# KiCad board 75he.kicad_pcb (continued)
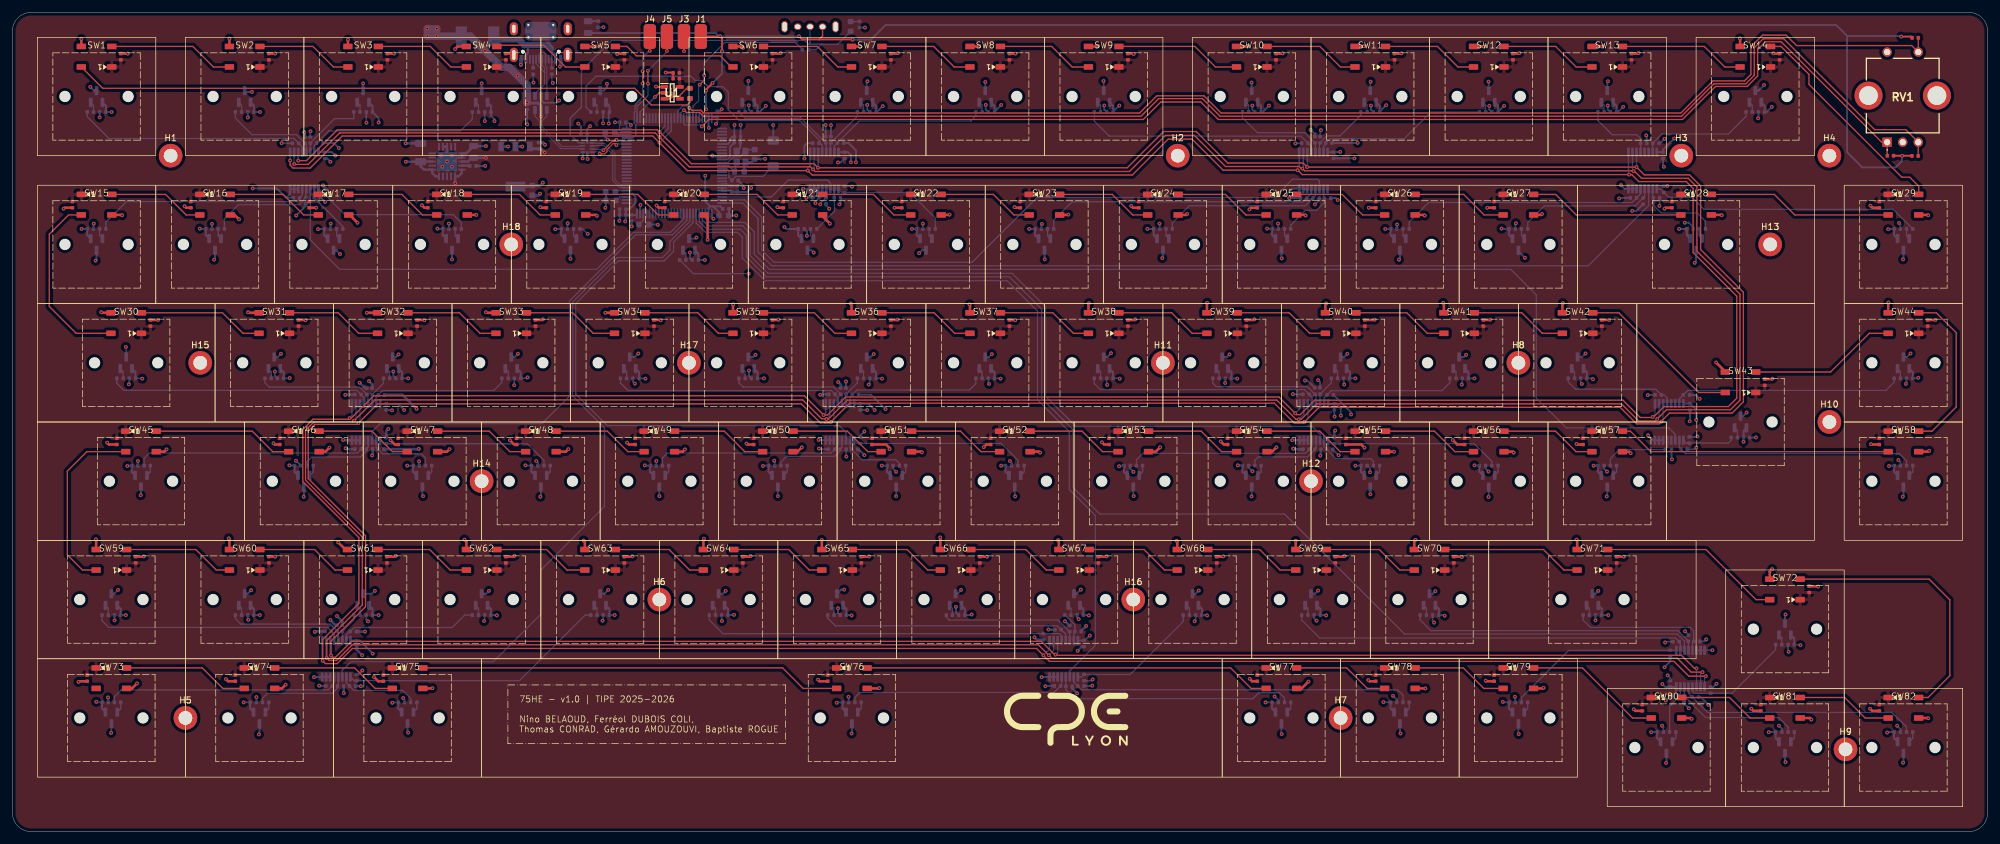
[diagram p0: board, top side]
## Footprints (pads in the part's own frame, mm; a bottom-side part is the same pattern mirrored in y, then rotated) (continued)
D_0805
  rrect 0.97x1.4 smd: 1(-0.94,0) 2(0.94,0)
EC11E15244B2
  round 4.5 hole 3: 1(-3,7.5) 2(8,7.5)
  rect 1.5x1.5 hole 1: A1(0,0)
  round 1.5 hole 1: B1(5,0) C1(2.5,0) D1(0,14.5) E1(5,14.5)
LED_WS2812B_PLCC4_5.0x5.0mm_P3.2mm
  rrect 1.5x0.9 smd: 1(-2.45,1.65) 2(-2.45,-1.65) 3(2.45,-1.65) 4(2.45,1.65)
LQFP-100_14x14mm_P0.5mm
  rrect 1.6x0.3 smd: 1(-7.675,6) 2(-7.675,5.5) 3(-7.675,5) 4(-7.675,4.5) 5(-7.675,4) 6(-7.675,3.5) 7(-7.675,3) 8(-7.675,2.5) 9(-7.675,2) 10(-7.675,1.5) 11(-7.675,1) 12(-7.675,0.5) 13(-7.675,0) 14(-7.675,-0.5) 15(-7.675,-1) 16(-7.675,-1.5) 17(-7.675,-2) 18(-7.675,-2.5) 19(-7.675,-3) 20(-7.675,-3.5) 21(-7.675,-4) 22(-7.675,-4.5) 23(-7.675,-5) 24(-7.675,-5.5) 25(-7.675,-6) 51(7.675,-6) 52(7.675,-5.5) 53(7.675,-5) 54(7.675,-4.5) 55(7.675,-4) 56(7.675,-3.5) 57(7.675,-3) 58(7.675,-2.5) 59(7.675,-2) 60(7.675,-1.5) 61(7.675,-1) 62(7.675,-0.5) 63(7.675,0) 64(7.675,0.5) 65(7.675,1) 66(7.675,1.5) 67(7.675,2) 68(7.675,2.5) 69(7.675,3) 70(7.675,3.5) 71(7.675,4) 72(7.675,4.5) 73(7.675,5) 74(7.675,5.5) 75(7.675,6)
  rrect 0.3x1.6 smd: 26(-6,-7.675) 27(-5.5,-7.675) 28(-5,-7.675) 29(-4.5,-7.675) 30(-4,-7.675) 31(-3.5,-7.675) 32(-3,-7.675) 33(-2.5,-7.675) 34(-2,-7.675) 35(-1.5,-7.675) 36(-1,-7.675) 37(-0.5,-7.675) 38(0,-7.675) 39(0.5,-7.675) 40(1,-7.675) 41(1.5,-7.675) 42(2,-7.675) 43(2.5,-7.675) 44(3,-7.675) 45(3.5,-7.675) 46(4,-7.675) 47(4.5,-7.675) 48(5,-7.675) 49(5.5,-7.675) 50(6,-7.675) 76(6,7.675) 77(5.5,7.675) 78(5,7.675) 79(4.5,7.675) 80(4,7.675) 81(3.5,7.675) 82(3,7.675) 83(2.5,7.675) 84(2,7.675) 85(1.5,7.675) 86(1,7.675) 87(0.5,7.675) 88(0,7.675) 89(-0.5,7.675) 90(-1,7.675) 91(-1.5,7.675) 92(-2,7.675) 93(-2.5,7.675) 94(-3,7.675) 95(-3.5,7.675) 96(-4,7.675) 97(-4.5,7.675) 98(-5,7.675) 99(-5.5,7.675) 100(-6,7.675)
MountingHole_2.2mm_M2_ISO14580_Pad
  round 3.8 hole 2.2: 1(0,0)
R_0402
  rrect 0.56x0.62 smd: 1(-0.5,0) 2(0.5,0)
R_0603
  rrect 0.8x0.95 smd: 1(-0.82,0) 2(0.82,0)
RGW0020A-IPC_A
  rect 1.207x0.316 smd: 1(-2.376,1.3) 2(-2.376,0.65) 3(-2.376,0) 4(-2.376,-0.65) 5(-2.376,-1.3) 11(2.376,-1.3) 12(2.376,-0.65) 13(2.376,0) 14(2.376,0.65) 15(2.376,1.3)
  rect 0.316x1.207 smd: 6(-1.3,-2.376) 7(-0.65,-2.376) 8(0,-2.376) 9(0.65,-2.376) 10(1.3,-2.376) 16(1.3,2.376) 17(0.65,2.376) 18(0,2.376) 19(-0.65,2.376) 20(-1.3,2.376)
  rect 3.15x3.15 smd: 21(0,0)
RSE10
  rect 0.705x0.3 smd: 1(-0.727,0.75) 4(-0.727,-0.75) 6(0.727,-0.75) 9(0.727,0.75)
  rect 0.705x0.25 smd: 2(-0.727,0.25) 3(-0.727,-0.25) 7(0.727,-0.25) 8(0.727,0.25)
  rect 0.35x0.755 smd: 5(0,-0.952) 10(0,0.952)
SolderWirePad_1x01_SMD_2x4mm
  rrect 2x4 smd: 1(0,0)
SOP65P640X120-16N
  rect 1.475x0.45 smd: 1(-2.938,2.275) 2(-2.938,1.625) 3(-2.938,0.975) 4(-2.938,0.325) 5(-2.938,-0.325) 6(-2.938,-0.975) 7(-2.938,-1.625) 8(-2.938,-2.275) 9(2.938,-2.275) 10(2.938,-1.625) 11(2.938,-0.975) 12(2.938,-0.325) 13(2.938,0.325) 14(2.938,0.975) 15(2.938,1.625) 16(2.938,2.275)
SOT95P280X145-5N
  rect 1.2x0.6 smd: 1(-1.25,0.95) 2(-1.25,0) 3(-1.25,-0.95) 4(1.25,-0.95) 5(1.25,0.95)
SOT223_STM
  rect 0.901x1.549 smd: 1(-2.3,-3.226) 2(0,-3.226) 3(2.3,-3.226)
  rect 3.2x1.549 smd: 4(0,3.226)
SOT-23
  rrect 1.475x0.6 smd: 1(-0.938,0.95) 2(-0.938,-0.95) 3(0.938,0)
SOT-23-6
  rrect 1.325x0.6 smd: 1(-1.137,0.95) 2(-1.137,0) 3(-1.137,-0.95) 4(1.137,-0.95) 5(1.137,0) 6(1.137,0.95)
SW-TH_SK-12D02VG3
  oval 1.2x1 hole 0.9x0.7: 1(-2,0) 2(0,0) 3(2,0)
  oval 1x1.8 hole 0.7x1.5: 4(4.1,0) 5(-4.1,0)
SW_TS-1088-AR02016
  rrect 1.35x1.8 smd: 1(-2.075,0) 2(2.075,0)
TYPE-C-SMD_HX-TYPE-C-16PIN
  round 0.6 hole 0.6 unplated: (-2.89,1.3) (2.89,1.3)
  rect 0.3x1.4 smd: A5(-1.25,2.5) A6(-0.25,2.5) A7(0.25,2.5) A8(1.25,2.5) B5(1.75,2.5) B6(0.75,2.5) B7(-0.75,2.5) B8(-1.75,2.5)
  rect 0.5x1.4 smd: A9B4(2.4,2.5) A12B1(3.2,2.5) B9A4(-2.4,2.5) B12A1(-3.2,2.5)
  oval 1.3x2.1 hole 0.5x1.3: S1(-4.33,-2.38) S1(4.33,-2.38)
  oval 1.3x2.3 hole 0.5x1.6: S1(-4.33,1.82) S1(4.33,1.82)
  round 0.5 hole 0.3: S1(-2,-3) S1(-2,-1) S1(2,-3) S1(2,-1)
  rrect 5x3 smd: S1(0,-2)

## Nets
+3.3V: C3.1 C4.1 C5.1 C6.1 C7.1 C8.1 C9.1 C12.1 C13.1 C18.2 C199.1 J1.1 LED2.2 R3.1 R5.1 R6.1 SW_BOOT1.3 U2.6 U2.11 U2.27 U2.50 U2.54 U2.75 U2.100 U3.10 U6.2 U6.4
+3.3VA: C1.1 C2.1 C22.2 C23.2 C24.2 C25.2 C26.2 C27.2 C28.2 C29.2 C38.2 C39.2 C40.2 C41.2 C42.2 C43.2 C44.2 C45.2 C54.2 C55.2 C56.2 C57.2 C58.2 C59.2 C60.2 C61.2 C70.2 C71.2 C72.2 C73.2 C74.2 C75.2 C76.2 C77.2 C86.2 C87.2 C88.2 C89.2 C90.2 C91.2 C92.2 C93.2 C102.2 C103.2 C104.2 C105.2 C106.2 C107.2 C108.2 C109.2 C118.2 C119.2 C120.2 C121.2 C122.2 C123.2 C124.2 C125.2 C134.2 C135.2 C136.2 C137.2 C138.2 C139.2 C140.2 C141.2 C150.2 C151.2 C152.2 C153.2 C154.2 C155.2 C156.2 C157.2 C166.2 C167.2 C170.2 C171.2 C172.2 C173.2 C174.2 C175.2 C176.2 C177.2 C197.1 C284.1 C285.1 C286.1 C287.1 C288.1 C289.1 C290.1 C291.1 C292.1 C293.1 C295.1 K1.1 K2.1 K3.1 K4.1 K5.1 K6.1 K7.1 K8.1 K9.1 K10.1 K11.1 K12.1 K13.1 K14.1 K15.1 K16.1 K17.1 K18.1 K19.1 K20.1 K21.1 K22.1 K23.1 K24.1 K25.1 K26.1 K27.1 K28.1 K29.1 K30.1 K31.1 K32.1 K33.1 K34.1 K35.1 K36.1 K37.1 K38.1 K39.1 K40.1 K41.1 K42.1 K43.1 K44.1 K45.1 K46.1 K47.1 K48.1 K49.1 K50.1 K51.1 K52.1 K53.1 K54.1 K55.1 K56.1 K57.1 K58.1 K59.1 K60.1 K61.1 K62.1 K63.1 K64.1 K65.1 K66.1 K67.1 K68.1 K69.1 K70.1 K71.1 K72.1 K73.1 K74.1 K75.1 K76.1 K77.1 K78.1 K79.1 K80.1 K81.1 K82.1 M1.16 M2.16 M3.16 M4.16 M5.16 M6.16 M7.16 M8.16 M9.16 M10.16 M11.16 U2.20 U2.21 U5.1 U5.3 U5.20
+5V: C10.1 C11.1 C21.1 C198.1 C200.1 C202.1 C203.1 C204.1 C205.1 C206.1 C207.1 C208.1 C209.1 C210.1 C211.1 C212.1 C213.1 C214.1 C215.1 C216.1 C217.1 C218.1 C219.1 C220.1 C221.1 C222.1 C223.1 C224.1 C225.1 C226.1 C227.1 C228.1 C229.1 C230.1 C231.1 C232.1 C233.1 C234.1 C235.1 C236.1 C237.1 C238.1 C239.1 C240.1 C241.1 C242.1 C243.1 C244.1 C245.1 C246.1 C247.1 C248.1 C249.1 C250.1 C251.1 C252.1 C253.1 C254.1 C255.1 C256.1 C257.1 C258.1 C259.1 C260.1 C261.1 C262.1 C263.1 C264.1 C265.1 C266.1 C267.1 C268.1 C269.1 C270.1 C271.1 C272.1 C273.1 C274.1 C275.1 C276.1 C277.1 C278.1 C279.1 C280.1 C281.1 C282.1 C283.1 D1.1 D2.1 D3.1 D4.1 D5.1 D6.1 D7.1 D8.1 D9.1 D10.1 D11.1 D12.1 D13.1 D14.1 D15.1 D16.1 D17.1 D18.1 D19.1 D20.1 D21.1 D22.1 D23.1 D24.1 D25.1 D26.1 D27.1 D28.1 D29.1 D30.1 D31.1 D32.1 D33.1 D34.1 D35.1 D36.1 D37.1 D38.1 D39.1 D40.1 D41.1 D42.1 D43.1 D44.1 D45.1 D46.1 D47.1 D48.1 D49.1 D50.1 D51.1 D52.1 D53.1 D54.1 D55.1 D56.1 D57.1 D58.1 D59.1 D60.1 D61.1 D62.1 D63.1 D64.1 D65.1 D66.1 D67.1 D68.1 D69.1 D70.1 D71.1 D72.1 D73.1 D74.1 D75.1 D76.1 D77.1 D78.1 D79.1 D80.1 D81.1 D82.1 F1.1 U1.5 U4.5 U5.13 U5.15 U5.16 U6.3
/MCU/V12PHYHS: C15.1 U2.55
GND: C1.2 C2.2 C3.2 C4.2 C5.2 C6.2 C7.2 C8.2 C9.2 C10.2 C11.2 C12.2 C13.2 C14.2 C15.2 C16.2 C17.2 C18.1 C19.2 C20.2 C21.2 C22.1 C23.1 C24.1 C25.1 C26.1 C27.1 C28.1 C29.1 C30.1 C31.1 C32.1 C33.1 C34.1 C35.1 C36.1 C37.1 C38.1 C39.1 C40.1 C41.1 C42.1 C43.1 C44.1 C45.1 C46.1 C47.1 C48.1 C49.1 C50.1 C51.1 C52.1 C53.1 C54.1 C55.1 C56.1 C57.1 C58.1 C59.1 C60.1 C61.1 C62.1 C63.1 C64.1 C65.1 C66.1 C67.1 C68.1 C69.1 C70.1 C71.1 C72.1 C73.1 C74.1 C75.1 C76.1 C77.1 C78.1 C79.1 C80.1 C81.1 C82.1 C83.1 C84.1 C85.1 C86.1 C87.1 C88.1 C89.1 C90.1 C91.1 C92.1 C93.1 C94.1 C95.1 C96.1 C97.1 C98.1 C99.1 C100.1 C101.1 C102.1 C103.1 C104.1 C105.1 C106.1 C107.1 C108.1 C109.1 C110.1 C111.1 C112.1 C113.1 C114.1 C115.1 C116.1 C117.1 C118.1 C119.1 C120.1 C121.1 C122.1 C123.1 C124.1 C125.1 C126.1 C127.1 C128.1 C129.1 C130.1 C131.1 C132.1 C133.1 C134.1 C135.1 C136.1 C137.1 C138.1 C139.1 C140.1 C141.1 C142.1 C143.1 C144.1 C145.1 C146.1 C147.1 C148.1 C149.1 C150.1 C151.1 C152.1 C153.1 C154.1 C155.1 C156.1 C157.1 C158.1 C159.1 C160.1 C161.1 C162.1 C163.1 C164.1 C165.1 C166.1 C167.1 C168.1 C169.1 C170.1 C171.1 C172.1 C173.1 C174.1 C175.1 C176.1 C177.1 C178.1 C179.1 C180.1 C181.1 C182.1 C183.1 C184.1 C185.1 C197.2 C198.2 C199.2 C200.2 C201.2 C202.2 C203.2 C204.2 C205.2 C206.2 C207.2 C208.2 C209.2 C210.2 C211.2 C212.2 C213.2 C214.2 C215.2 C216.2 C217.2 C218.2 C219.2 C220.2 C221.2 C222.2 C223.2 C224.2 C225.2 C226.2 C227.2 C228.2 C229.2 C230.2 C231.2 C232.2 C233.2 C234.2 C235.2 C236.2 C237.2 C238.2 C239.2 C240.2 C241.2 C242.2 C243.2 C244.2 C245.2 C246.2 C247.2 C248.2 C249.2 C250.2 C251.2 C252.2 C253.2 C254.2 C255.2 C256.2 C257.2 C258.2 C259.2 C260.2 C261.2 C262.2 C263.2 C264.2 C265.2 C266.2 C267.2 C268.2 C269.2 C270.2 C271.2 C272.2 C273.2 C274.2 C275.2 C276.2 C277.2 C278.2 C279.2 C280.2 C281.2 C282.2 C283.2 C284.2 C285.2 C286.2 C287.2 C288.2 C289.2 C290.2 C291.2 C292.2 C293.2 C295.2 D1.3 D2.3 D3.3 D4.3 D5.3 D6.3 D7.3 D8.3 D9.3 D10.3 D11.3 D12.3 D13.3 D14.3 D15.3 D16.3 D17.3 D18.3 D19.3 D20.3 D21.3 D22.3 D23.3 D24.3 D25.3 D26.3 D27.3 D28.3 D29.3 D30.3 D31.3 D32.3 D33.3 D34.3 D35.3 D36.3 D37.3 D38.3 D39.3 D40.3 D41.3 D42.3 D43.3 D44.3 D45.3 D46.3 D47.3 D48.3 D49.3 D50.3 D51.3 D52.3 D53.3 D54.3 D55.3 D56.3 D57.3 D58.3 D59.3 D60.3 D61.3 D62.3 D63.3 D64.3 D65.3 D66.3 D67.3 D68.3 D69.3 D70.3 D71.3 D72.3 D73.3 D74.3 D75.3 D76.3 D77.3 D78.3 D79.3 D80.3 D81.3 D82.3 H1.1 H2.1 H3.1 H4.1 H5.1 H6.1 H7.1 H8.1 H9.1 H10.1 H11.1 H12.1 H13.1 H14.1 H15.1 H16.1 H17.1 H18.1 J2.A12B1 J2.B12A1 J2.S1 J3.1 K1.3 K2.3 K3.3 K4.3 K5.3 K6.3 K7.3 K8.3 K9.3 K10.3 K11.3 K12.3 K13.3 K14.3 K15.3 K16.3 K17.3 K18.3 K19.3 K20.3 K21.3 K22.3 K23.3 K24.3 K25.3 K26.3 K27.3 K28.3 K29.3 K30.3 K31.3 K32.3 K33.3 K34.3 K35.3 K36.3 K37.3 K38.3 K39.3 K40.3 K41.3 K42.3 K43.3 K44.3 K45.3 K46.3 K47.3 K48.3 K49.3 K50.3 K51.3 K52.3 K53.3 K54.3 K55.3 K56.3 K57.3 K58.3 K59.3 K60.3 K61.3 K62.3 K63.3 K64.3 K65.3 K66.3 K67.3 K68.3 K69.3 K70.3 K71.3 K72.3 K73.3 K74.3 K75.3 K76.3 K77.3 K78.3 K79.3 K80.3 K81.3 K82.3 M1.6 M1.7 M1.8 M2.6 M2.7 M2.8 M3.6 M3.7 M3.8 M4.6 M4.7 M4.8 M5.6 M5.7 M5.8 M6.6 M6.7 M6.8 M7.6 M7.7 M7.8 M8.6 M8.7 M8.8 M9.6 M9.7 M9.8 M10.6 M10.7 M10.8 M11.6 M11.7 M11.8 R2.2 R4.1 R7.1 R8.1 R91.2 RV1.C1 RV1.D1 SW_BOOT1.1 SW_BOOT1.4 SW_BOOT1.5 SW_RESET1.1 U1.1 U1.3 U2.10 U2.19 U2.26 U2.49 U2.74 U2.99 U3.5 U3.6 U4.2 U5.7 U5.8 U5.11 U5.12 U5.21 U6.1 X1.2 X1.4
VBUS: F1.2 J2.A9B4 J2.B9A4
/LED/LED_DATA_OUT_1: D14.2 D29.4
/LED/LED_DATA_OUT_2: D15.2 D30.4
/LED/LED_DATA_OUT_3: D44.2 D58.4
/LED/LED_DATA_OUT_4: D45.2 D59.4
/LED/LED_DATA_OUT_5: D72.2 D82.4
/MCU/NRST: C14.1 SW_RESET1.2 U2.14
/MCU/OSC_IN: C16.1 U2.12 X1.1
/MCU/OSC_OUT: C17.1 U2.13 X1.3
/MCU/REXTPHYHS: R4.2 U2.53
/MCU/USB_D+: U3.8 U4.4
/MCU/USB_D-: U3.7 U4.6
/MCU/USB_PLUG_D+: J2.A6 J2.B6 U4.3
/MCU/USB_PLUG_D-: J2.A7 J2.B7 U4.1
/MCU/VCAP_1: C19.1 U2.48
/MCU/VCAP_2: C20.1 U2.73
DFU_SW: LED1.2 R1.1 SW_BOOT1.2 U3.9
ENCODER_SW: R3.2 RV1.E1 U2.89
ENCODER_WAVE_1: R5.2 RV1.A1 U2.91
ENCODER_WAVE_2: R6.2 RV1.B1 U2.90
K1_OUT: C30.2 M11.12 R9.2
K2_OUT: C31.2 M11.13 R10.2
K3_OUT: C32.2 M11.14 R11.2
K4_OUT: C33.2 M11.15 R12.2
K5_OUT: C34.2 M1.12 R13.2
K6_OUT: C35.2 M1.13 R14.2
K7_OUT: C36.2 M1.14 R15.2
K8_OUT: C37.2 M1.15 R16.2
K9_OUT: C46.2 M2.12 R17.2
K10_OUT: C47.2 M2.13 R18.2
K11_OUT: C48.2 M2.14 R19.2
K12_OUT: C49.2 M2.15 R20.2
K13_OUT: C50.2 M3.12 R21.2
K14_OUT: C51.2 M3.15 R22.2
K15_OUT: C52.2 M11.5 R23.2
K16_OUT: C53.2 M11.4 R24.2
K17_OUT: C62.2 M11.2 R25.2
K18_OUT: C63.2 M11.1 R26.2
K19_OUT: C64.2 M1.5 R27.2
K20_OUT: C65.2 M1.4 R28.2
K21_OUT: C66.2 M1.2 R29.2
K22_OUT: C67.2 M1.1 R30.2
K23_OUT: C68.2 M2.5 R31.2
K24_OUT: C69.2 M2.4 R32.2
K25_OUT: C78.2 M2.2 R33.2
K26_OUT: C79.2 M3.5 R34.2
K27_OUT: C80.2 M3.4 R35.2
K28_OUT: C81.2 M3.2 R36.2
K29_OUT: C82.2 M3.1 R37.2
K30_OUT: C83.2 M10.12 R38.2
K31_OUT: C84.2 M10.13 R39.2
K32_OUT: C85.2 M10.14 R40.2
K33_OUT: C94.2 M10.15 R41.2
K34_OUT: C95.2 M8.12 R42.2
K35_OUT: C96.2 M8.13 R43.2
K36_OUT: C97.2 M8.14 R44.2
K37_OUT: C98.2 M8.15 R45.2
K38_OUT: C99.2 M5.12 R46.2
K39_OUT: C100.2 M5.13 R47.2
K40_OUT: C101.2 M5.14 R48.2
K41_OUT: C110.2 M5.15 R49.2
K42_OUT: C111.2 M4.12 R50.2
K43_OUT: C112.2 M4.1 R51.2
K44_OUT: C113.2 M4.15 R52.2
K45_OUT: C114.2 M10.5 R53.2
K46_OUT: C115.2 M10.4 R54.2
K47_OUT: C116.2 M10.2 R55.2
K48_OUT: C117.2 M10.1 R56.2
K49_OUT: C126.2 M8.5 R57.2
K50_OUT: C127.2 M8.4 R58.2
K51_OUT: C128.2 M8.2 R59.2
K52_OUT: C129.2 M8.1 R60.2
K53_OUT: C130.2 M5.5 R61.2
K54_OUT: C131.2 M5.4 R62.2
K55_OUT: C132.2 M5.2 R63.2
K56_OUT: C133.2 M5.1 R64.2
K57_OUT: C142.2 M4.5 R65.2
K58_OUT: C143.2 M4.2 R66.2
K59_OUT: C144.2 M9.12 R67.2
K60_OUT: C145.2 M9.13 R68.2
K61_OUT: C146.2 M9.14 R69.2
K62_OUT: C147.2 M9.15 R70.2
K63_OUT: C148.2 M9.1 R71.2
K64_OUT: C149.2 M7.12 R72.2
K65_OUT: C158.2 M7.13 R73.2
K66_OUT: C159.2 M7.14 R74.2
K67_OUT: C160.2 M7.15 R75.2
K68_OUT: C161.2 M7.1 R76.2
K69_OUT: C162.2 M6.2 R77.2
K70_OUT: C163.2 M6.4 R78.2
K71_OUT: C164.2 M6.5 R79.2
K72_OUT: C165.2 M6.12 R80.2
K73_OUT: C168.2 M9.5 R81.2
K74_OUT: C169.2 M9.4 R82.2
K75_OUT: C178.2 M9.2 R83.2
K76_OUT: C179.2 M7.5 R84.2
K77_OUT: C180.2 M7.4 R85.2
K78_OUT: C181.2 M7.2 R86.2
K79_OUT: C182.2 M6.1 R87.2
K80_OUT: C183.2 M6.15 R88.2
K81_OUT: C184.2 M6.14 R89.2
K82_OUT: C185.2 M6.13 R90.2
LED_DATA: U1.2 U2.77
LED_DATA_5V: R92.1 U1.4
M1_OUT: M1.3 U2.23
M2_OUT: M2.3 U2.24
M3_OUT: M3.3 U2.25
M4_OUT: M4.3 U2.28
M5_OUT: M5.3 U2.29
M6_OUT: M6.3 U2.30
M7_OUT: M7.3 U2.31
M8_OUT: M8.3 U2.32
M9_OUT: M9.3 U2.33
M10_OUT: M10.3 U2.34
M11_OUT: M11.3 U2.35
M_SEL_0: M1.11 M2.11 M3.11 M4.11 M5.11 M6.11 M7.11 M8.11 M9.11 M10.11 M11.11 U2.85
M_SEL_1: M1.10 M2.10 M3.10 M4.10 M5.10 M6.10 M7.10 M8.10 M9.10 M10.10 M11.10 U2.86
M_SEL_2: M1.9 M2.9 M3.9 M4.9 M5.9 M6.9 M7.9 M8.9 M9.9 M10.9 M11.9 U2.87
SWCLK: J5.1 U2.76
SWDIO: J4.1 U2.72
USB_FS_D+: U2.71 U3.3
USB_FS_D-: U2.70 U3.4
USB_HS_D+: U2.57 U3.1
USB_HS_D-: U2.56 U3.2
Net-(D1-DIN): D1.4 R92.2
Net-(D1-DOUT): D1.2 D2.4
Net-(D2-DOUT): D2.2 D3.4
Net-(D3-DOUT): D3.2 D4.4
Net-(D4-DOUT): D4.2 D5.4
Net-(D5-DOUT): D5.2 D6.4
Net-(D6-DOUT): D6.2 D7.4
Net-(D7-DOUT): D7.2 D8.4
Net-(D8-DOUT): D8.2 D9.4
Net-(D10-DIN): D9.2 D10.4
Net-(D10-DOUT): D10.2 D11.4
Net-(D11-DOUT): D11.2 D12.4
Net-(D12-DOUT): D12.2 D13.4
Net-(D13-DOUT): D13.2 D14.4
Net-(D15-DIN): D15.4 D16.2
Net-(D16-DIN): D16.4 D17.2
Net-(D17-DIN): D17.4 D18.2
Net-(D18-DIN): D18.4 D19.2
Net-(D19-DIN): D19.4 D20.2
Net-(D20-DIN): D20.4 D21.2
Net-(D21-DIN): D21.4 D22.2
Net-(D22-DIN): D22.4 D23.2
Net-(D23-DIN): D23.4 D24.2
Net-(D24-DIN): D24.4 D25.2
Net-(D25-DIN): D25.4 D26.2
Net-(D26-DIN): D26.4 D27.2
Net-(D27-DIN): D27.4 D28.2
Net-(D28-DIN): D28.4 D29.2
Net-(D30-DOUT): D30.2 D31.4
Net-(D31-DOUT): D31.2 D32.4
Net-(D32-DOUT): D32.2 D33.4
Net-(D33-DOUT): D33.2 D34.4
Net-(D34-DOUT): D34.2 D35.4
Net-(D35-DOUT): D35.2 D36.4
Net-(D36-DOUT): D36.2 D37.4
Net-(D37-DOUT): D37.2 D38.4
Net-(D38-DOUT): D38.2 D39.4
Net-(D39-DOUT): D39.2 D40.4
Net-(D40-DOUT): D40.2 D41.4
Net-(D41-DOUT): D41.2 D42.4
Net-(D42-DOUT): D42.2 D43.4
Net-(D43-DOUT): D43.2 D44.4
Net-(D45-DIN): D45.4 D46.2
Net-(D46-DIN): D46.4 D47.2
Net-(D47-DIN): D47.4 D48.2
Net-(D48-DIN): D48.4 D49.2
Net-(D49-DIN): D49.4 D50.2
Net-(D50-DIN): D50.4 D51.2
Net-(D51-DIN): D51.4 D52.2
Net-(D52-DIN): D52.4 D53.2
Net-(D53-DIN): D53.4 D54.2
Net-(D54-DIN): D54.4 D55.2
Net-(D55-DIN): D55.4 D56.2
Net-(D56-DIN): D56.4 D57.2
Net-(D57-DIN): D57.4 D58.2
Net-(D59-DOUT): D59.2 D60.4
Net-(D60-DOUT): D60.2 D61.4
Net-(D61-DOUT): D61.2 D62.4
Net-(D62-DOUT): D62.2 D63.4
Net-(D63-DOUT): D63.2 D64.4
Net-(D64-DOUT): D64.2 D65.4
Net-(D65-DOUT): D65.2 D66.4
Net-(D66-DOUT): D66.2 D67.4
Net-(D67-DOUT): D67.2 D68.4
Net-(D68-DOUT): D68.2 D69.4
Net-(D69-DOUT): D69.2 D70.4
Net-(D70-DOUT): D70.2 D71.4
Net-(D71-DOUT): D71.2 D72.4
Net-(D73-DIN): D73.4 D74.2
Net-(D74-DIN): D74.4 D75.2
Net-(D75-DIN): D75.4 D76.2
Net-(D76-DIN): D76.4 D77.2
Net-(D77-DIN): D77.4 D78.2
Net-(D78-DIN): D78.4 D79.2
Net-(D79-DIN): D79.4 D80.2
Net-(D80-DIN): D80.4 D81.2
Net-(D81-DIN): D81.4 D82.2
Net-(J2-CC1): J2.A5 R8.2
Net-(J2-CC2): J2.B5 R7.2
Net-(K1-OUT): K1.2 R9.1
Net-(K2-OUT): K2.2 R10.1
Net-(K3-OUT): K3.2 R11.1
Net-(K4-OUT): K4.2 R12.1
Net-(K5-OUT): K5.2 R13.1
Net-(K6-OUT): K6.2 R14.1
Net-(K7-OUT): K7.2 R15.1
Net-(K8-OUT): K8.2 R16.1
Net-(K9-OUT): K9.2 R17.1
Net-(K10-OUT): K10.2 R18.1
Net-(K11-OUT): K11.2 R19.1
Net-(K12-OUT): K12.2 R20.1
Net-(K13-OUT): K13.2 R21.1
Net-(K14-OUT): K14.2 R22.1
Net-(K15-OUT): K15.2 R23.1
Net-(K16-OUT): K16.2 R24.1
Net-(K17-OUT): K17.2 R25.1
Net-(K18-OUT): K18.2 R26.1
Net-(K19-OUT): K19.2 R27.1
Net-(K20-OUT): K20.2 R28.1
Net-(K21-OUT): K21.2 R29.1
Net-(K22-OUT): K22.2 R30.1
Net-(K23-OUT): K23.2 R31.1
Net-(K24-OUT): K24.2 R32.1
Net-(K25-OUT): K25.2 R33.1
Net-(K26-OUT): K26.2 R34.1
Net-(K27-OUT): K27.2 R35.1
Net-(K28-OUT): K28.2 R36.1
Net-(K29-OUT): K29.2 R37.1
Net-(K30-OUT): K30.2 R38.1
Net-(K31-OUT): K31.2 R39.1
Net-(K32-OUT): K32.2 R40.1
Net-(K33-OUT): K33.2 R41.1
Net-(K34-OUT): K34.2 R42.1
Net-(K35-OUT): K35.2 R43.1
Net-(K36-OUT): K36.2 R44.1
Net-(K37-OUT): K37.2 R45.1
Net-(K38-OUT): K38.2 R46.1
Net-(K39-OUT): K39.2 R47.1
Net-(K40-OUT): K40.2 R48.1
Net-(K41-OUT): K41.2 R49.1
Net-(K42-OUT): K42.2 R50.1
Net-(K43-OUT): K43.2 R51.1
Net-(K44-OUT): K44.2 R52.1
Net-(K45-OUT): K45.2 R53.1
Net-(K46-OUT): K46.2 R54.1
Net-(K47-OUT): K47.2 R55.1
Net-(K48-OUT): K48.2 R56.1
Net-(K49-OUT): K49.2 R57.1
Net-(K50-OUT): K50.2 R58.1
Net-(K51-OUT): K51.2 R59.1
Net-(K52-OUT): K52.2 R60.1
Net-(K53-OUT): K53.2 R61.1
Net-(K54-OUT): K54.2 R62.1
Net-(K55-OUT): K55.2 R63.1
Net-(K56-OUT): K56.2 R64.1
Net-(K57-OUT): K57.2 R65.1
Net-(K58-OUT): K58.2 R66.1
Net-(K59-OUT): K59.2 R67.1
Net-(K60-OUT): K60.2 R68.1
Net-(K61-OUT): K61.2 R69.1
Net-(K62-OUT): K62.2 R70.1
Net-(K63-OUT): K63.2 R71.1
Net-(K64-OUT): K64.2 R72.1
Net-(K65-OUT): K65.2 R73.1
Net-(K66-OUT): K66.2 R74.1
Net-(K67-OUT): K67.2 R75.1
Net-(K68-OUT): K68.2 R76.1
Net-(K69-OUT): K69.2 R77.1
Net-(K70-OUT): K70.2 R78.1
Net-(K71-OUT): K71.2 R79.1
Net-(K72-OUT): K72.2 R80.1
Net-(K73-OUT): K73.2 R81.1
Net-(K74-OUT): K74.2 R82.1
Net-(K75-OUT): K75.2 R83.1
Net-(K76-OUT): K76.2 R84.1
Net-(K77-OUT): K77.2 R85.1
Net-(K78-OUT): K78.2 R86.1
Net-(K79-OUT): K79.2 R87.1
Net-(K80-OUT): K80.2 R88.1
Net-(K81-OUT): K81.2 R89.1
Net-(K82-OUT): K82.2 R90.1
Net-(LED1-Pad1): LED1.1 R2.1
Net-(LED2-Pad1): LED2.1 R91.1
Net-(U2-BOOT0): R1.2 U2.94
Net-(U5-NR): C201.1 U5.14

Pads without a net: D73 2; J2 A8 B8; M2 1; M3 13 14; M4 4 13 14; RV1 1 2; U2 1 2 3 4 5 7 8 9 15 16 17 18 22 36 37 38 39 40 41 42 43 44 45 46 47 51 52 58 59 60 61 62 63 64 65 66 67 68 69 78 79 80 81 82 83 84 88 92 93 95 96 97 98; U5 2 4 5 6 9 10 17 18 19

## Via types
v1: diameter 0.6, hole 0.3, Top to Bottom, 651 vias

## Routing (per net, layer and track width the routed paths; a pad name or vN(x,y) marks a point on that pad's centre or on a via; arc(x,y) is an arc through that point)
+3.3V: length 307.8
  Top w0.2: SW_BOOT1.3 130.25,128.02 129.72,127.49
  Top w0.3: R5.1 303.98,108.76 ; 303.98,108.76 305.38,108.76 R6.1 ; 303.98,108.76 v1(303.82,108.76) ; v1(111.52,119.24) 111.52,119.42 112.56,120.46 v1(112.56,120.47) ; v1(126.48,127.99) 126.98,127.49 135.03,127.49 v1(135.08,127.44) ; v1(303.68,127.94) 305.23,127.94 R3.1 ; v1(114.08,125.62) 114.08,127.68 v1(113.77,127.99) 113.73,127.95 J1.1
  Bottom w0.2: 115.37,108.99 115.37,108.58 114.93,108.14 U2.11
  Bottom w0.3: v1(303.68,127.94) 303.57,128.04 294.98,128.04 ; C3.1 113.59,99.7 112.68,100.61 112.65,100.61 ; LED2.2 113.1,128.52 113.62,127.99 v1(113.77,127.99) v1(126.48,127.99) ; U2.100 112.55,114.94 C9.1 113.33,114.09 v1(113.12,113.89) ; v1(114.08,125.62) 114.08,121.99 v1(112.56,120.47) ; C6.1 116.08,113.69 v1(116.09,113.71) ; C6.1 115.75,111.79 115.33,111.36 115.33,110.96 115,110.64 U2.6 ; C6.1 116.02,111.74 C7.1 115.37,110.21 115.37,108.99 ; 294.98,128.04 293.23,129.79 140.38,129.79 138.03,127.44 v1(135.08,127.44) ; 294.98,128.04 294.98,109.34 297.43,106.89 302.78,106.89 303.82,107.94 v1(303.82,108.76) ; U2.27 111.92,100.37 112.17,100.61 ; v1(98.52,98.19) 98.62,98.29 C13.1 ; v1(111.52,119.24) v1(111.52,116.24) ; U3.10 92.4,111.06 C18.2 92.4,113.05 v1(92.88,113.53) ; U2.54 99.7,102.64 100.15,102.19 100.15,101.13 99.15,100.14 C12.1 C13.1 ; 112.17,100.61 111.37,101.41 111.37,105.52 v1(111.39,105.54) ; 112.17,100.61 112.65,100.61 ; 112.65,100.61 113.8,100.61 C8.1 ; C13.1 C4.1 100.2,99.24 U2.50 ; U2.75 98.75,114.01 C5.1 99,114.14 v1(99.43,113.7)
  Bottom w0.4: 81.03,103.96 U6.4 83.42,103.8 C199.1 84.8,103.96 v1(85.27,104.44)
  Bottom w0.5: U6.2 81.96,110.25 v1(81.97,110.24)
+3.3VA: length 285.9
  Bottom w0.3: v1(239.43,97.04) 239.48,96.99 C175.2 240.62,95.97 K27.1 ; v1(51.92,108.79) 51.38,109.34 C292.1 49.2,109.34 M11.16 ; K9.1 176.95,116.81 C70.2 176.95,115.81 v1(177.98,116.84) ; K54.1 197.76,57.87 C172.2 197.08,58.89 v1(197.03,58.94) ; M3.16 265.38,109.33 C286.1 265.38,109.75 v1(267.18,111.54) ; K48.1 83.46,57.87 C156.2 82.52,58.89 v1(82.47,58.94) ; K37.1 157.9,73.95 C153.2 158.83,72.94 v1(158.88,72.89) ; v1(182.48,96.99) C41.2 183.48,95.97 K24.1 ; K67.1 172.19,35.85 C73.2 173.03,34.84 v1(173.08,34.79) ; v1(211.23,34.79) 211.18,34.84 C121.2 210.29,35.85 K69.1 ; K58.1 302.54,57.87 C166.2 301.78,58.89 v1(301.73,58.84) ; K31.1 43.6,73.95 C74.2 44.52,72.94 v1(44.58,72.99) ; v1(61.08,20.74) 61.12,20.79 C86.2 62.03,19.77 K75.1 ; v1(220.73,96.99) C22.2 221.58,95.97 K26.1 ; K10.1 200.76,116.81 C44.2 200.99,115.8 v1(202.03,116.84) ; K43.1 278.34,64.52 C89.2 278.34,62.76 v1(278.32,62.74) ; K41.1 234.1,73.95 C109.2 v1(235.07,72.94) ; v1(68.33,97.04) 68.38,96.99 C92.2 69.17,95.97 K18.1 ; K55.1 216.81,57.87 C87.2 v1(215.93,58.89) ; v1(213.48,109.39) 213.42,109.34 C285.1 212.41,109.33 M2.16 ; v1(301.57,96.94) 301.62,96.99 C136.2 302.54,95.97 K29.1 ; K28.1 269.2,95.97 C177.2 v1(267.98,96.99) ; v1(58.88,34.84) C59.2 57.89,35.85 K61.1 ; K66.1 153.14,35.85 C55.2 154.12,34.84 v1(154.23,34.94) ; v1(58.88,114.11) 58.88,114.81 C42.2 57.89,116.81 K3.1 ; v1(37.17,20.79) C122.2 38.22,19.77 K74.1 ; v1(138.62,67.84) 137.62,68.85 C293.1 136.32,68.85 135.32,68.85 ; K78.1 221.58,19.77 C134.2 220.48,20.79 v1(220.43,20.84) ; v1(111.33,91.99) C76.2 110.27,93 K20.1 ; v1(213.58,66.94) 213.58,68.13 212.84,68.86 C287.1 211.54,68.86 211.54,68.85 ; K23.1 164.43,95.97 C40.2 v1(163.48,96.99) ; v1(254.23,58.89) C124.2 254.91,57.87 K57.1 ; v1(139.83,72.89) 139.78,72.94 C139.2 138.85,73.95 K36.1 ; v1(118.77,103.59) 118.12,102.94 C2.1 C1.1 115.48,103.14 U2.21 U2.20 ; K1.1 15.03,116.81 C141.2 v1(15.94,115.8) ; v1(201.48,20.79) C120.2 202.53,19.77 K77.1 ; v1(18.47,58.84) 18.53,58.89 C88.2 19.17,57.87 K45.1 ; v1(235.07,58.94) 235.12,58.89 C170.2 235.86,57.87 K56.1 ; M7.16 172.28,30.75 C291.1 172.44,30.76 v1(173.23,31.54) ; K16.1 31.07,95.97 C155.2 30.18,96.99 v1(30.13,97.04) ; K32.1 62.65,73.95 C91.2 v1(63.62,72.94) ; K15.1 12.03,95.97 C157.2 v1(11.13,96.99) ; v1(177.93,58.79) 178.03,58.89 C152.2 178.71,57.87 K53.1 ; v1(201.73,97.04) 201.78,96.99 C23.2 202.53,95.97 K25.1 ; 81.15,74.5 81.7,73.95 C171.2 82.67,72.94 v1(82.83,73.09) ; v1(44.52,58.94) 44.58,58.89 C176.2 45.36,57.87 K46.1 ; K76.1 133.47,19.77 C45.2 132.58,20.79 v1(132.53,20.74) ; v1(57.92,28.64) 55.81,30.75 C288.1 55.33,30.75 M9.16 ; K81.1 283.49,15.01 C104.2 282.41,16.02 v1(282.38,15.99) ; K17.1 50.12,95.97 C173.2 49.17,96.99 v1(49.12,96.94) ; K39.1 196,73.95 C123.2 196.88,72.94 v1(196.93,72.89) ; K72.1 286.49,31.09 C103.2 287.39,30.07 v1(287.48,29.99) ; 268.65,68.85 269.71,68.85 C295.1 269.76,68.85 270.73,67.89 v1(270.73,66.24) ; K13.1 257.91,116.81 C54.2 258.14,115.8 v1(258.98,116.64) ; K42.1 253.15,73.95 C28.2 253.98,72.94 v1(254.12,72.79) ; 59.13,68.85 59.13,68.85 C290.1 61.97,68.85 v1(62.97,67.84) ; K5.1 95.99,116.81 C61.2 95.86,115.68 v1(95.86,113.95) ; K70.1 229.34,35.85 C105.2 230.18,34.84 v1(230.28,34.74) ; K59.1 17.41,35.85 C119.2 v1(18.22,34.84) ; v1(220.88,116.89) 219.81,115.82 C71.2 219.81,116.81 K11.1 ; v1(134.81,107.73) 134.81,108.85 134.34,109.33 C284.1 132.8,109.33 M1.16 ; K34.1 100.75,73.95 C151.2 101.72,72.94 v1(101.77,72.89) ; v1(77.88,34.79) 77.83,34.84 C93.2 76.94,35.85 K62.1 ; v1(139.78,58.89) C138.2 140.61,57.87 K51.1 ; K21.1 126.33,95.97 C57.2 124.42,96.99 v1(124.12,97.29) ; v1(96.83,34.84) C150.2 95.99,35.85 K63.1 ; v1(77.5,114.34) 77.5,114.62 76.94,115.18 C60.2 76.94,116.81 K4.1 ; K8.1 157.9,116.81 C26.2 157.9,115.86 v1(158.98,116.94) ; K30.1 19.79,73.95 C39.2 20.82,72.94 v1(20.88,72.89) ; v1(39.81,115.8) C24.2 38.84,116.81 K2.1 ; K65.1 134.09,35.85 C102.2 134.88,34.84 v1(134.93,34.79) ; v1(192.08,34.79) 192.03,34.84 C135.2 191.24,35.85 K68.1 ; v1(282.88,116.64) 282.04,115.8 C56.2 281.73,116.81 K14.1 ; K50.1 121.56,57.87 C174.2 120.73,58.89 v1(120.67,58.84) ; v1(263.48,15.99) 263.51,16.02 C106.2 264.44,15.01 K80.1 ; v1(139.93,116.74) 138.99,115.8 C25.2 138.85,116.81 K7.1 ; v1(301.43,15.94) 301.51,16.02 C77.2 302.54,15.01 K82.1 ; v1(63.47,58.89) C167.2 64.41,57.87 K47.1 ; K6.1 119.8,116.81 C43.2 120.14,115.8 v1(121.12,116.79) ; v1(39.77,34.84) C90.2 38.84,35.85 K60.1 ; v1(87.27,96.94) 87.33,96.99 C75.2 88.22,95.97 K19.1 ; v1(120.83,72.94) C137.2 119.8,73.95 K35.1 ; K12.1 238.86,116.81 C27.2 238.86,115.82 v1(239.82,116.79) ; 64.92,107.83 64.89,107.8 ; K73.1 14.41,19.77 C108.2 13.57,20.79 v1(13.47,20.89) ; v1(265.28,23.74) 265.73,23.29 C289.1 267.52,23.29 M6.16 ; v1(101.67,58.94) 101.72,58.89 C140.2 102.51,57.87 K49.1 ; v1(116.02,34.89) 115.98,34.84 C38.2 115.04,35.85 K64.1 ; K22.1 145.38,95.97 C58.2 v1(144.62,96.99) ; K79.1 240.62,19.77 C118.2 239.73,20.79 v1(239.62,20.89) ; K38.1 176.95,73.95 C107.2 177.98,72.94 v1(178.03,72.89) ; v1(256.57,34.84) C72.2 255.53,35.85 K71.1 ; K44.1 305.54,73.95 C29.2 306.32,72.94 v1(306.43,73.04) ; K52.1 159.66,57.87 C154.2 v1(158.98,58.89) ; K40.1 215.05,73.95 C125.2 v1(215.93,72.94)